# Altium PCB nova34_sketch.PcbDoc (part 3 of 4)
Units mm, origin at the board's own origin, x right, y up, seen from the top; angles counter-clockwise.
Board outline 34.12 x 31.07 mm, 8 copper layers (Top Layer, Int1 (Sign), Int2 (GND), Int3 (Sign), Int4 (Sign), Int5 (PWR), Int6 (Sign), Bottom Layer), stack 1.535 mm thick; 262 components, 287 nets, 1203 pads, 347 vias.
Unrouted connection lines stored in the file: 198.
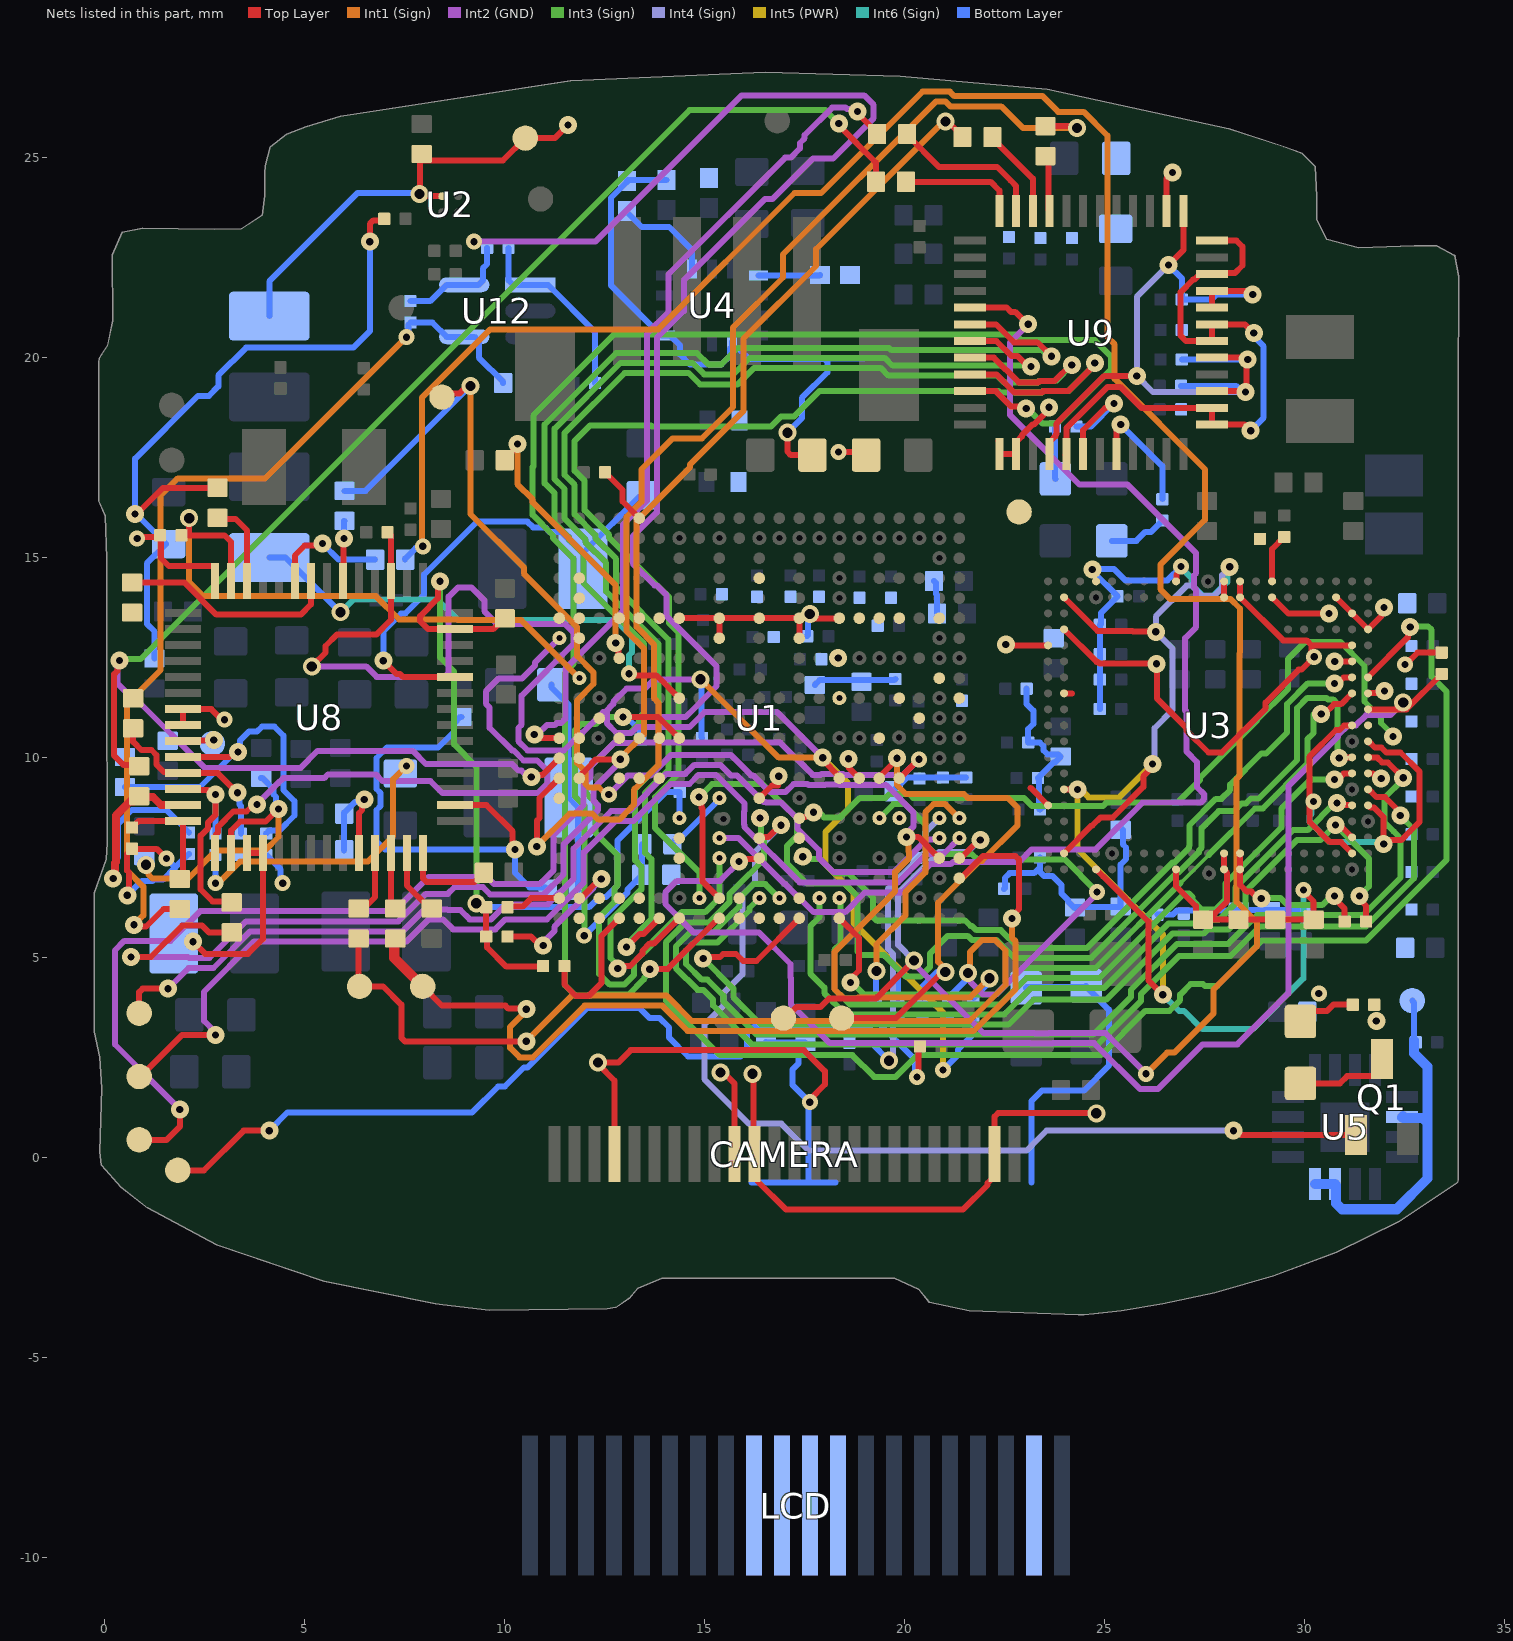
[diagram p9: the nets of this part, all layers, seen from the top]

## Via types
v1: diameter 0.45, hole 0.18, Top Layer to Bottom Layer, tented both sides, 190 vias
v2: diameter 0.4, hole 0.18, Top Layer to Bottom Layer, tented both sides, 77 vias
v3: diameter 0.45, hole 0.254, Top Layer to Bottom Layer, tented both sides, 62 vias
v4: diameter 0.35, hole 0.18, Top Layer to Bottom Layer, tented both sides, 8 vias
v5: diameter 0.2, hole 0.1, Top Layer to Bottom Layer, 6 vias
v6: diameter 0.2, hole 0.15, Top Layer to Bottom Layer, 2 vias
v7: diameter 0.35, hole 0.15, Top Layer to Bottom Layer, tented both sides, 2 vias

## Nets (pads, with @x,y where several pads share a name; then routed paths per layer and width w, separated by ;. In a path a pad name is that pad's centre, name@x,y a point inside that pad or via, vN(x,y) a via of type N, cw(c..) or ccw(c..) an arc to the next point about the centre after c; other vN are vias at no path point) (continued)
NetC458_2: C458.2 R218.2 U12.1 | length 4.8
  Bottom Layer w0.15: R218.2@10.097,22.733 10.097,21.921 10.21,21.808 U12.1@10.642,21.808 11.084,21.808 12.256,20.636 C458.2@12.256,19.355
NetD1_A: D1.A R125.2 | length 1.5
  Top Layer w0.15: D1.A@29.896,3.391 30.161,3.657 30.565,3.657 30.718,3.81 R125.2@31.204,3.81
NetD1_C: D1.C Q1.3 | length 2.4
  Top Layer w0.15: D1.C@29.896,1.841 30.88,1.841 31.062,2.024 31.728,2.024 31.928,2.224 Q1.3@31.928,2.449
NetD2_A: D2.A D3.A LCD.19 | length 8.1
  Bottom Layer w0.15: D2.A@23.038,4.229 23.063,4.255 D3.A@24.511,4.255 ; 23.169,-0.635 23.169,1.401 23.43,1.662 24.485,1.662 25.107,2.284 25.107,3.684 24.536,4.255 D3.A@24.536,4.28
NetL16_1: L16.1 U8.31 U8.32 | length 4.6
  Top Layer w0.15: v1(2.21,5.385) 2.515,5.08 3.581,5.08 3.959,5.458 U8.32@3.959,7.598 U8.31@3.559,7.598
NetLD1_A: LD1.A R24.2 | length 1.5
  Bottom Layer w0.15: LD1.A@25.177,15.405 25.792,15.405 26.019,15.632 26.161,15.632 R24.2@26.441,15.913
NetLD2_A: LD2.A R25.2 | length 1.3
  Bottom Layer w0.15: R25.2@23.761,18.263 23.761,16.962 LD2.A@23.769,16.955
NetR1_2: R1.2 U3.G2 | length 1.6
  Top Layer w0.15: U3.G2@29.184,13.995 29.59,13.589 v1(30.607,13.589)
NetR2_2: R2.2 U3.G1 | length 1.2
  Top Layer w0.15: U3.G1@29.184,14.395 29.184,15.201 R2.2@29.489,15.506
NetR7_2: R7.2 U1.U1 | length 1.5
  Top Layer w0.15: R7.2@12.51,17.12 12.951,16.678 12.951,16.39 U1.U1@13.367,15.974
NetR24_1: R24.1 U9.44 | length 3.1
  Top Layer w0.15: U9.44@25.296,17.577 25.296,18.21 v1(25.4,18.313)
  Bottom Layer w0.15: v1(25.4,18.313) 26.441,17.272 R24.1@26.441,16.447
NetR25_1: R25.1 U9.42 | length 2.8
  Top Layer w0.15: U9.42@24.46,17.577 24.46,18.177 25.013,18.729 25.039,18.729 25.153,18.844 v1(25.235,18.844)
  Bottom Layer w0.15: R25.1@24.295,18.263 24.654,18.263 v1(25.235,18.844)
NetR29_1: pad.17 R29.1 U1.B16 | length 7.9
  Int4 (Sign) w0.15: v3(19.609,2.409) 19.609,2.49 19.713,2.595 19.713,5.076 19.587,5.202 19.587,6.709 20.515,7.638 20.515,8.123 pad.17@20.867,8.474
  Bottom Layer w0.15: R29.1@18.618,2.858 19.16,2.858 v3@19.609,2.409
NetR34_1: R34.1 U4.1 | length 1.5
  Bottom Layer w0.15: U4.1@16.352,22.035 17.876,22.035 R34.1@17.888,22.047
NetR35_1: R35.1 U4.12 | length 2.5
  Bottom Layer w0.15: R35.1@13.056,23.653 13.056,23.628 13.432,23.252 14.111,23.252 14.689,22.674 U4.12@14.689,22.198
NetR48_2: R48.2 U8.41 | length 1.6
  Top Layer w0.15: U8.41@7.559,7.598 7.559,6.786 8.128,6.217 R48.2@8.153,6.217
NetR51_2: R51.2 U8.39 | length 1.5
  Top Layer w0.15: R51.2@6.452,6.217 6.477,6.217 6.759,6.499 U8.39@6.759,7.598
NetR52_2: R52.2 U8.40 | length 1.4
  Top Layer w0.15: U8.40@7.159,7.598 7.159,6.322 R52.2@7.264,6.217
NetR54_2: R54.2 U8.42 | length 2.3
  Top Layer w0.15: U8.42@7.959,7.598 7.959,6.971 8.047,6.883 9.252,6.883 9.301,6.933 9.327,6.933 9.48,7.087 R54.2@9.48,7.112
NetR55_2: R55.2 R106.2 U8.28 | length 2.6
  Top Layer w0.15: R106.2@0.813,8.37 0.845,8.402 U8.28@1.955,8.402 ; R55.2@1.88,6.954 1.959,7.033 U8.28@1.959,8.398
NetR108_1: pad.18 R108.1 U1.A16 | length 6.3
  Int1 (Sign) w0.15: v3(19.295,4.656) 19.295,5.318 20.015,6.039 20.015,6.62 20.515,7.12 20.515,8.62 20.721,8.826 21.015,8.826 pad.18@21.367,8.474
  Bottom Layer w0.15: R108.1@19.279,3.95 19.287,3.958 19.287,4.648 v3(19.295,4.656)
NetR111_1: R111.1 U8.6 | length 1.5
  Top Layer w0.15: U8.6@5.959,14.398 5.971,14.41 5.971,15.453 v1(5.983,15.464)
  Bottom Layer w0.15: v1(5.983,15.464) 5.988,15.47 5.988,15.901 R111.1@5.994,15.906
NetR114_1: R114.1 U8.9 | length 2.9
  Top Layer w0.15: U8.9@4.759,14.398 4.759,15.046 4.997,15.284 5.387,15.284 v1(5.445,15.342)
  Bottom Layer w0.15: v1(5.445,15.342) 5.851,14.935 R114.1@6.762,14.935
NetR127_2: R127.2 U8.8 | length 5.5
  Top Layer w0.15: R127.2@0.686,14.364 1.994,14.364 2.794,13.564 4.902,13.564 5.159,13.821 U8.8@5.159,14.398
NetR195_1: R195.1 R224.1 U8.30 | length 7.6
  Top Layer w0.15: U8.30@3.159,7.598 3.162,7.6 3.162,8.164 3.386,8.389 4.026,8.389 4.344,8.707 v1(4.345,8.707)
  Int1 (Sign) w0.15: v3(1.034,7.308) 1.091,7.251 1.091,7.066 1.197,6.96 2.083,6.96 2.794,7.671 4.013,7.671 4.345,8.003 v1(4.345,8.707)
  Bottom Layer w0.15: R195.1@3.912,9.48 3.937,9.48 4.22,9.197 4.22,9.069 4.288,9.001 4.288,8.764 v1(4.345,8.707)
NetR200_2: R200.2 R202.2 U8.24 | length 9.3
  Top Layer w0.15: U8.24@1.959,9.998 3.121,9.998 3.25,10.127 v1(3.331,10.127)
  Bottom Layer w0.15: R202.2@0.508,9.252 2.385,9.252 3.26,10.127 v1(3.331,10.127) 3.388,10.185 3.388,10.419 3.605,10.635 3.806,10.635 3.934,10.764 4.245,10.764 4.472,10.537 4.472,9.173 4.747,8.898 4.747,8.54 4.374,8.168 4.116,8.168 R200.2@4.039,8.09
NetR201_2: R201.2 R203.2 U8.25 | length 4.7
  Top Layer w0.15: R203.2@0.711,10.719 0.711,10.383 0.918,10.177 1.17,10.177 1.293,10.054 1.293,9.814 1.483,9.623 1.934,9.623 U8.25@1.959,9.598 2.831,9.598 v1(3.319,9.111)
  Bottom Layer w0.15: v1(3.319,9.111) 3.376,9.053 3.376,8.811 3.404,8.783 R201.2@3.404,8.09
NVCC_DRAM: C25.1 C26.1 C27.1 C28.1 C29.1 C31.1 C32.1 C33.1 C34.1 C50.1 C51.1 C52.1 C53.1 C54.1 U3.AA5 U3.K1 U3.K2 U3.K18 U3.K19 U3.N1 U3.N19 U3.V1 U3.V19 U3.Y2 U3.Y8 U3.Y14 U3.Y18 U9.3 U9.5 U9.8 U9.9 U9.13 U9.40 | length 70.3
  Top Layer w0.15: v1(22.529,12.818) 22.553,12.795 U3.AA5@23.584,12.795 ; U9.40@23.624,17.577 23.649,17.602 23.649,17.902 23.766,18.018 23.766,18.05 23.791,18.075 23.791,18.33 24.991,19.53 25.803,19.53 v1(25.804,19.531) ; U3.Y18@23.984,7.595 24.682,8.292 24.696,8.292 24.898,8.495 25.208,8.495 25.969,9.257 25.969,9.521 26.193,9.745 v1(26.193,9.826) ; U3.Y14@23.984,9.195 U3.Y14@23.984,9.195 24.321,9.194 v1(24.323,9.192) ; U3.Y8@23.984,11.595 23.994,11.585 24.189,11.585 ; U3.Y2@23.984,13.995 24.822,13.157 25.695,13.157 25.712,13.14 26.273,13.14 v1(26.28,13.133) ; U3.V19@24.784,7.195 24.959,7.02 24.963,7.02 26.092,5.891 26.092,4.421 v1(26.454,4.059) ; v1(26.594,22.301) 26.968,22.675 U9.13@26.968,23.647 ; U3.N19@26.784,7.195 26.784,6.772 27.278,6.278 27.278,6.091 27.432,5.938 C28.1@27.483,5.938 ; U3.N1@26.784,14.395 26.794,14.405 26.794,14.565 ; U9.3@27.679,19.149 28.501,19.149 v1(28.524,19.126) 28.55,19.152 28.55,19.914 v1(28.575,19.939) 28.529,19.985 U9.5@27.679,19.985 ; U9.8@27.679,21.239 U9.9@27.679,21.657 28.61,21.657 v1(28.702,21.565) ; U3.K18@27.984,7.595 27.984,7.181 28.061,7.105 28.061,6.399 27.753,6.091 27.636,6.091 C28.1@27.483,5.938 ; U3.K2@27.984,13.995 U3.K1@27.984,14.395 ; v2(29.969,6.676) 29.969,6.648 30.226,6.391 C25.1@30.226,5.938 C26.1@29.261,5.938 C27.1@28.346,5.938 C28.1@27.483,5.938
  Int4 (Sign) w0.15: v1(26.193,9.826) 26.246,9.879 26.246,10.726 26.694,11.174 26.694,12.718 v1(26.28,13.133) 26.28,13.518 27.05,14.289 27.175,14.289 27.439,14.025 27.73,14.025 27.936,14.231 27.936,14.547 v1@28.021,14.632 ; v1(26.594,22.301) 25.804,21.512 v1(25.804,19.531) 26.21,19.126 v1(28.524,19.126)
  Int5 (PWR) w0.15: v1(26.193,9.826) 25.362,8.995 24.601,8.995 24.404,9.192 v1(24.323,9.192) 24.323,7.691 26.454,5.56 v1(26.454,4.059)
  Int6 (Sign) w0.15: v1(26.454,4.059) 26.858,3.655 26.985,3.655 27.44,3.199 28.698,3.199 29.969,4.47 v2(29.969,6.676) ; v2(26.91,14.762) 26.91,14.738 27.199,14.45 27.199,14.286 27.439,14.045 27.729,14.045 28.068,14.383 28.068,14.7 v1(28.125,14.757)
  Bottom Layer w0.15: C29.1@24.879,11.201 C31.1@24.879,11.938 C32.1@24.879,12.573 C33.1@24.879,13.31 24.902,13.333 24.902,13.6 C34.1@25.323,14.021 24.692,14.652 v1(24.692,14.691) 24.7,14.699 25.236,14.699 25.515,14.421 26.569,14.421 v2(26.91,14.762) ; v1(26.594,22.301) 26.928,21.967 C51.1@26.928,21.441 27.684,21.441 27.807,21.565 v1(28.702,21.565) ; C54.1@26.912,19.282 28.287,19.282 28.443,19.126 v1(28.524,19.126) ; C52.1@26.928,19.942 C52.1@26.928,19.942 28.573,19.941 v1(28.575,19.939)
NVCC_DRAM_1V35: C88.1 C89.1 C90.1 C91.1 C92.1 C93.1 C94.1 C95.1 C318.1 C491.1 C492.1 L15.2 TP27.1 U1.G6 U1.J6 U1.J7 U1.L6 U1.N6 U1.N7 U1.R6 U8.52 | length 22.3
  Top Layer w0.15: v1(6.965,12.41) 7.291,12.083 7.381,12.083 7.466,11.998 U8.52@8.759,11.998 ; U1.R6@14.367,13.474 U1.N6@15.367,13.474 ; U1.N7@15.367,12.974 U1.N6@15.367,13.474 ; U1.J7@17.367,12.974 U1.J6@17.367,13.474 ; v3(17.629,13.582) 17.629,13.524 v3@17.629,13.468 ; U1.G6@18.367,13.474 U1.G6@18.361,13.468 ; U1.N6@15.367,13.474 U1.L6@16.367,13.474 U1.J6@17.367,13.474 ; U1.J6@17.367,13.474 17.394,13.501 17.467,13.501 17.49,13.524 17.572,13.524 v3@17.629,13.468 ; v3@17.629,13.468 U1.G6@18.361,13.468 ; v3@17.629,13.468 U1.G6@18.361,13.468 ; v3@17.629,13.468 U1.G6@18.361,13.468 ; v3@17.629,13.468 U1.G6@18.361,13.468 ; v3@17.629,13.468 U1.G6@18.361,13.468 ; v3@17.629,13.468 U1.G6@18.361,13.468
  Bottom Layer w0.15: v1(6.965,12.41) 6.965,13.144 7.411,13.59 7.515,13.59 7.984,14.06 7.984,14.562 9.309,15.886 10.567,15.886 10.71,15.744 11.011,15.744 11.129,15.625 11.424,15.625 11.957,15.091 L15.2@11.957,15.01 ; L15.2@11.957,14.707 L15.2@11.957,15.01 ; C318.1@13.462,16.546 13.399,16.546 11.957,15.104 L15.2@11.957,15.01 ; C94.1@17.564,13.03 17.587,13.054 17.587,13.54 v3(17.629,13.582) ; C89.1@20.732,14.402 20.785,14.35 20.785,14.075 20.809,14.051 C88.1@20.809,13.589
NVCC_ENET: C392.1 R6.1 R216.1 R218.1 R219.2 U1.R12 U12.5 | length 47.4
  Top Layer w0.15: v1(12.962,11.004) 13.837,11.004 U1.R12@14.367,10.474
  Int2 (GND) w0.15: v2(9.233,22.885) 12.269,22.885 15.927,26.543 18.988,26.543 19.223,26.308 19.223,25.975 18.209,24.961 17.705,24.961 16.691,23.948 16.505,23.948 14.478,21.92 14.478,21.156 13.802,20.48 13.802,16.118 13.207,15.523 13.207,14.834 13.748,14.293 13.804,14.293 14.051,14.046 14.051,13.522 15.298,12.275 15.298,11.779 14.523,11.004 v1(12.962,11.004)
  Int3 (Sign) w0.15: v2(11.989,5.536) 11.992,5.539 11.992,8.785 11.764,9.013 11.764,10.672 11.918,10.826 12.274,10.826 12.452,11.004 v1(12.962,11.004)
  Bottom Layer w0.15: R219.2@7.645,21.4 8.139,21.4 8.547,21.808 U12.5@8.989,21.808 9.351,21.808 9.455,21.913 9.455,22.221 9.563,22.329 R218.1@9.563,22.733 ; v2(11.989,5.536) 13.066,6.613 13.066,6.684 13.067,6.686 13.417,7.036 R6.1@13.417,7.061 13.43,7.074 13.43,7.81 R216.1@13.443,7.823 ; v1(12.962,11.004) 13.043,11.004 13.233,10.814 13.271,10.814 13.374,10.712 13.374,10.464 C392.1@13.399,10.439
NVCC_SD2: C17.1 C365.1 pad.52 R119.1 R120.1 R133.1 U1.R16 U8.55 | length 22.2
  Top Layer w0.15: v1(8.386,14.396) 8.329,14.339 8.329,13.968 7.885,13.524 7.885,13.4 8.087,13.198 U8.55@8.759,13.198 9.712,13.198 9.982,13.468 C365.1@10.008,13.468 ; R119.1@9.537,6.248 R133.1@9.537,5.512 9.562,5.487 9.562,5.239 10.04,4.762 10.946,4.762 R120.1@10.96,4.775
  Int3 (Sign) w0.15: v1(8.386,14.396) 8.386,12.492 8.737,12.141 8.737,10.318 9.292,9.763 v3(9.292,6.345)
  Bottom Layer w0.15: v3(9.292,6.345) 9.373,6.345 9.468,6.25 12.112,6.25 12.36,6.498 12.528,6.498 12.817,6.787 12.817,7.91 14.038,9.131 C17.1@14.376,9.131 14.372,9.126 14.372,8.479 pad.52@14.367,8.474
NVCC_SNVS_1V8: C333.1 C391.1 R20.1 R21.1 R102.1 R217.1 U1.G14 U8.3 | length 46.5
  Top Layer w0.15: v3(5.178,12.268) 5.52,12.609 5.52,12.779 5.804,13.063 6.793,13.063 7.159,13.43 U8.3@7.159,14.398 7.159,15.536 C333.1@7.074,15.621 ; v1(17.95,9.986) 17.95,9.929 18.367,9.512 U1.G14@18.367,9.474
  Int2 (GND) w0.15: v3(5.178,12.268) 6.538,12.268 6.798,12.008 8.497,12.008 8.6,12.111 8.6,14.009 8.835,14.245 9.168,14.245 9.491,13.921 9.491,13.649 9.815,13.326 11.513,13.326 11.719,13.12 11.719,12.829 10.426,11.536 10.426,10.814 10.341,10.728 10.341,10.4 10.575,10.166 11.482,10.166 11.929,10.613 11.94,10.602 12.462,11.124 12.512,11.124 12.719,11.331 12.719,11.381 13.047,11.709 13.504,11.709 13.74,11.945 v3(14.896,11.945) ; 12.555,11.167 12.555,10.845 12.796,10.604 13.163,10.604 13.313,10.754 14.627,10.754 14.995,11.123 16.813,11.123 v1(17.95,9.986)
  Int1 (Sign) w0.15: v3(14.896,11.945) 16.855,9.986 v1(17.95,9.986)
  Int5 (PWR) w0.15: v1(17.95,9.986) 18.589,9.347 18.589,8.693 18.015,8.12 18.015,7.323 18.719,6.62 18.719,5.859 20.955,3.622 v2(20.955,2.175)
  Bottom Layer w0.15: v3(14.896,11.945) 14.916,11.925 14.916,10.497 C391.1@14.935,10.478 ; v2(20.955,2.175) 21.336,2.556 21.336,2.692 21.717,3.073 R102.1@21.717,3.441
ONOFF: R21.2 TP7.1 U1.E14 | length 26.2
  Top Layer w0.15: U1.E14@19.367,9.474 19.367,9.503 19.808,9.945 v1(19.808,9.973) ; v3(21.015,4.625) 20.934,4.625 19.789,3.48 ; TP7.1@18.402,3.48 19.789,3.48 ; TP7.1@18.402,3.48 19.789,3.48 ; TP7.1@18.402,3.48 TP7.1@18.422,3.48 ; TP7.1@18.402,3.48 19.789,3.48 ; TP7.1@18.402,3.48 19.789,3.48 ; TP7.1@18.402,3.48 19.789,3.48 ; TP7.1@18.402,3.48 TP7.1@18.422,3.48 ; TP7.1@18.402,3.48 TP7.1@18.422,3.48 ; TP7.1@18.402,3.48 19.789,3.48 ; TP7.1@18.422,3.48 19.789,3.48 ; TP7.1@18.422,3.48 19.789,3.48 ; TP7.1@18.422,3.48 19.789,3.48 ; TP7.1@18.422,3.48 19.789,3.48
  Int1 (Sign) w0.15: v1(19.808,9.973) 19.808,9.3 20.031,9.077 21.479,9.077 21.574,8.982 22.576,8.982 22.823,8.735 22.823,8.295 21.931,7.403 21.877,7.403 20.839,6.364 20.839,4.882 21.015,4.706 v3(21.015,4.625)
  Bottom Layer w0.15: R21.2@20.447,3.975 20.447,4.267 20.806,4.626 21.014,4.626 v3(21.015,4.625)
PDM_CLK: U1.V14
PDM_DATA0: U1.U12
PDM_DATA1: U1.T14
PDM_DATA2: U1.V12
PDM_DATA3: U1.U14
PHY_VREF: U1.L4
PMIC_nINT: pad.51 R61.1 U1.Y9 U8.13 | length 17.2
  Top Layer w0.15: R61.1@1.918,15.545 2.113,15.545 ; U8.13@3.159,14.398 3.159,15.383 2.997,15.545 2.113,15.545 ; 2.113,15.545 v3(2.113,15.973) ; 2.113,15.545 v3(2.113,15.973) ; 2.113,15.545 v3(2.113,15.973) ; 2.113,15.545 v3(2.113,15.973) ; 2.113,15.545 v3(2.113,15.973) ; 2.113,15.545 v3(2.113,15.973)
  Int1 (Sign) w0.15: v3(2.113,15.973) 2.113,14.372 2.461,14.023 6.779,14.023 7.361,13.441 8.817,13.441 8.835,13.423 10.418,13.423 pad.51@11.867,11.974
PMIC_ON_REQ: pad.11 R51.1 R217.2 TP6.1 U1.E16 | length 40.1
  Top Layer w0.15: TP6.1@6.372,4.267 6.96,4.267 7.417,3.81 7.417,2.983 7.505,2.896 v1(10.541,2.896) ; TP6.1@6.35,4.267 R51.1@6.35,5.467 ; TP6.1@6.35,4.267 R51.1@6.35,5.467 ; TP6.1@6.35,4.267 R51.1@6.35,5.467 ; TP6.1@6.35,4.267 R51.1@6.35,5.467 ; TP6.1@6.35,4.267 R51.1@6.35,5.467 ; TP6.1@6.35,4.267 R51.1@6.35,5.467
  Int2 (GND) w0.15: v3(21.583,4.599) 21.64,4.542 21.64,4.381 21.953,4.069 22.286,4.069 24.805,6.589 v2(24.805,6.63)
  Int3 (Sign) w0.15: pad.11@19.367,8.474 19.37,8.474 19.721,8.826 20.013,8.826 20.515,8.323 20.515,7.829 20.767,7.577 21.675,7.577 21.81,7.442 23.997,7.442 24.805,6.634 v2(24.805,6.63)
  Int1 (Sign) w0.15: v1(10.541,2.896) 11.68,4.035 14.05,4.035 14.681,3.404 21.62,3.404 22.521,4.304 22.521,5.167 22.264,5.423 21.932,5.423 21.639,5.131 21.639,4.655 v3(21.583,4.599)
  Bottom Layer w0.15: R217.2@21.082,3.975 v3@21.525,4.419
PMIC_STBY_REQ: R52.1 TP10.1 U1.A19 | length 24.5
  Top Layer w0.15: R52.1@7.239,5.442 R52.1@7.264,5.467 ; TP10.1@7.95,4.267 8.433,3.785 10.016,3.785 10.091,3.71 10.53,3.71 v1(10.541,3.699) ; U1.A19@21.367,6.974 21.405,6.974 21.956,7.525 22.772,7.525 22.86,7.438 22.86,6.202 22.682,6.024 v1(22.682,5.964)
  Top Layer w0.254: R52.1@7.239,5.442 7.239,4.978 TP10.1@7.95,4.267
  Int1 (Sign) w0.15: v1(10.541,3.699) 10.541,3.658 10.139,3.256 10.139,2.729 10.375,2.494 10.707,2.494 11.998,3.785 13.944,3.785 14.577,3.152 21.725,3.152 22.772,4.2 22.772,5.394 22.682,5.485 v1(22.682,5.964)
PMIC_WDOG_B: R55.1 R219.1 R220.2 U12.4 | length 24.1
  Top Layer w0.15: v1(0.737,5.807) 0.778,5.766 1.035,5.766 1.473,6.204 R55.1@1.88,6.204
  Int1 (Sign) w0.15: v1(0.737,5.807) 0.737,5.814 0.968,6.045 0.968,6.761 0.558,7.172 0.558,11.334 1.397,12.173 1.397,16.535 1.829,16.967 4.013,16.967 v2(7.544,20.498)
  Bottom Layer w0.15: v2(7.544,20.498) 7.592,20.546 7.592,20.812 R219.1@7.645,20.866 8.19,20.866 8.547,20.508 U12.4@8.989,20.508 9.251,20.508 9.355,20.404 9.355,19.988 9.963,19.38 R220.2@9.963,19.355
POR_B: R20.2 R114.2 TP9.1 U1.A18 | length 70.4
  Top Layer w0.15: TP9.1@16.971,3.474 17.021,3.474 17.301,3.755 17.899,3.755 18.111,3.967 18.743,3.967 18.748,3.962 19.28,3.962 v3(20.231,4.914) ; U1.A18@21.367,7.474 21.402,7.474 21.857,7.929 v1(21.891,7.929)
  Int2 (GND) w0.15: v3(20.231,4.914) 20.231,4.841 21.969,3.103 23.243,3.103 23.257,3.088 23.59,3.088 23.605,3.103 25.015,3.103 v2(26.035,2.083)
  Int1 (Sign) w0.15: v2(7.952,15.272) 7.936,15.288 7.936,18.994 9.637,20.695 13.84,20.695 17.247,24.102 17.911,24.102 20.446,26.637 21.13,26.637 21.244,26.523 23.448,26.523 23.839,26.132 24.474,26.132 25.07,25.536 25.07,20.498 25.248,20.32 25.248,19.456 27.508,17.196 27.508,15.93 26.391,14.813 26.391,14.199 26.638,13.951 28.149,13.951 28.384,13.716 28.384,12.611 28.369,12.595 28.369,9.522 28.299,9.452 28.299,6.378 28.804,5.874 28.804,5.268 27.718,4.182 27.718,3.586 26.742,2.61 26.562,2.61 v2(26.035,2.083)
  Int4 (Sign) w0.15: v3(20.231,4.914) 19.839,5.307 19.839,6.605 20.856,7.623 21.561,7.623 21.868,7.929 v1(21.891,7.929)
  Bottom Layer w0.15: R114.2@7.512,14.935 7.512,14.961 7.775,15.224 7.905,15.224 v2(7.952,15.272) ; R20.2@19.837,3.95 19.837,4.52 v3(20.231,4.914)
QSPIA_DATA0: U1.M21
QSPIA_DATA1: U1.J20
QSPIA_DATA2: U1.M20
QSPIA_DATA3: U1.K21
QSPIA_nSS0: U1.L21
QSPIA_SCLK: U1.J17
R_SNSP1: R193.2 R194.1 U8.38 | length 3
  Top Layer w0.15: U8.38@6.359,7.598 6.359,8.6 6.435,8.675 6.435,8.883 v1(6.492,8.941)
  Bottom Layer w0.15: R193.2@5.988,7.671 R194.1@5.988,8.585 5.988,8.611 6.261,8.883 6.435,8.883 v1(6.492,8.941)
R_SNSP2: R191.1 R192.2 U8.44 | length 12.1
  Top Layer w0.15: U8.44@8.759,8.798 9.546,8.798 10.201,8.143 10.201,7.749 v1(10.258,7.693)
  Bottom Layer w0.15: R191.1@8.915,11.004 8.89,11.004 8.737,10.851 8.737,10.641 8.332,10.236 7.054,10.236 6.796,9.978 6.796,9.204 6.894,9.106 6.894,8.776 6.796,8.678 6.796,7.904 7.007,7.693 v1(10.258,7.693) 10.258,7.11 10.627,6.742 11.019,6.742 R192.2@11.08,6.68
REF_CLK_32K: R116.1 U1.V8 | length 6.9
  Top Layer w0.15: R116.1@10.002,17.424 10.002,17.45 10.317,17.766 v1(10.317,17.831) ; v1(12.776,12.852) 12.84,12.788 12.84,12.501 U1.V8@12.867,12.474
  Int1 (Sign) w0.15: v1(10.317,17.831) 10.317,16.824 10.698,16.443 10.698,16.371 12.776,14.292 v1(12.776,12.852)
REG_PD_B: U1.R18
RTC_RESET_B: R102.2 R111.2 TP8.1 U1.B18 | length 37.1
  Top Layer w0.15: TP8.1@8.433,18.999 8.526,19.092 8.876,19.092 9.063,19.279 v3(9.144,19.279) ; v1(20.043,8.005) 20.337,8.005 U1.B18@20.867,7.474
  Int2 (GND) w0.15: v2(12.602,9.064) 13.074,9.536 13.643,9.536 14.164,10.057 15.648,10.057 16.163,9.543 16.213,9.543 16.634,9.122 17.017,9.122 17.221,9.326 17.573,9.326 17.595,9.304 18.003,9.304 18.021,9.321 18.353,9.321 18.371,9.304 19.535,9.304 20.219,8.62 20.219,8.261 20.043,8.086 v1(20.043,8.005)
  Int1 (Sign) w0.15: v3(9.144,19.279) 9.144,16.078 10.477,14.745 10.477,14.584 11.811,13.251 11.811,12.527 12.219,12.12 12.219,11.829 11.811,11.421 11.811,9.854 12.015,9.65 12.015,9.329 12.103,9.241 12.358,9.241 12.535,9.064 v2(12.602,9.064) ; v1(20.043,8.005) 20.1,7.947 20.1,7.643 20.114,7.629 20.114,7.476 19.764,7.126 19.764,6.645 18.242,5.124 18.242,4.202 18.477,3.967 18.81,3.967 18.837,3.994 21.643,3.994 v3(22.119,4.47)
  Bottom Layer w0.15: R111.2@5.994,16.656 6.522,16.656 v3(9.144,19.279) ; R102.2@21.717,3.975 v3@22.062,4.32
SAI2_MCLK: U1.Y12
SAI2_RXC: U1.AA15
SAI2_RXD: R9.2 U1.AA14 | length 26.3
  Top Layer w0.15: v1(10.803,7.768) 10.804,7.77 10.804,8.409 10.87,8.475 10.87,8.977 U1.AA14@11.367,9.474 ; v3(21.024,25.887) 21.084,25.887 21.444,25.527 R9.2@21.444,25.502
  Int1 (Sign) w0.15: v1(10.803,7.768) 10.804,7.768 11.626,8.59 12.187,8.59 12.341,8.436 12.861,8.436 13.159,8.734 13.159,8.74 13.229,8.81 13.229,9.18 13.359,9.31 13.843,9.794 13.843,11.363 13.739,11.467 13.739,12.813 13.298,13.255 13.298,15.905 14.628,17.236 14.628,17.31 15.966,18.648 15.966,20.456 17.782,22.272 17.782,22.701 20.968,25.887 v3(21.024,25.887)
SAI2_RXD_RES: R9.1 U9.22 | length 2.3
  Top Layer w0.15: R9.1@22.194,25.502 22.194,25.476 23.206,24.463 U9.22@23.206,23.647
SAI2_RXFS: U1.Y13
SAI2_TXC: R22.2 R198.1 U1.AA13 | length 42
  Top Layer w0.15: v1(0.374,12.416) 0.317,12.359 0.317,12.154 0.235,12.072 0.235,10.035 0.472,9.798 0.839,9.798 R198.1@0.864,9.773 ; v1(10.665,9.5) 10.723,9.557 10.95,9.557 U1.AA13@11.367,9.974 ; v1(18.353,25.837) 18.353,25.795 19.285,24.863 R22.2@19.285,24.384
  Int2 (GND) w0.15: v1(0.374,12.416) 0.317,12.359 0.317,12.154 0.316,12.153 0.316,11.842 0.691,11.466 0.771,11.466 2.511,9.726 4.89,9.726 5.32,10.156 7.7,10.156 8.032,9.823 10.185,9.823 10.342,9.666 10.418,9.666 10.584,9.5 v1(10.665,9.5)
  Int3 (Sign) w0.15: v1(0.374,12.416) 0.412,12.453 0.9,12.453 14.621,26.174 18.015,26.174 v1(18.353,25.837)
SAI2_TXC_1P8: R196.2 R198.2 U8.27 | length 9.7
  Top Layer w0.2: v1(0.212,6.967) 0.26,7.015 0.26,7.356 0.281,7.377 0.281,8.542 0.633,8.895 0.71,8.895 0.711,8.896 R198.2@0.711,8.998 ; U8.27@1.959,8.798 1.414,8.798 1.214,8.998 ; R198.2@0.711,8.998 1.214,8.998 ; R198.2@0.711,8.998 1.214,8.998 ; R198.2@0.711,8.998 1.214,8.998 ; R198.2@0.711,8.998 1.214,8.998 ; R198.2@0.711,8.998 1.214,8.998 ; R198.2@0.711,8.998 1.214,8.998
  Bottom Layer w0.15: v1(0.212,6.967) 0.255,7.01 0.255,7.417 0.33,7.492 0.33,8.326 0.684,8.679 1.544,8.679 R196.2@2.108,8.116